# Altium PCB PCB1.PcbDoc
Units mm, origin at the board's own origin, x right, y up, seen from the top; angles counter-clockwise.
Board outline 43.31 x 74.09 mm, 2 copper layers (Top Layer, Bottom Layer); 49 components, 44 nets, 212 pads, 42 vias.
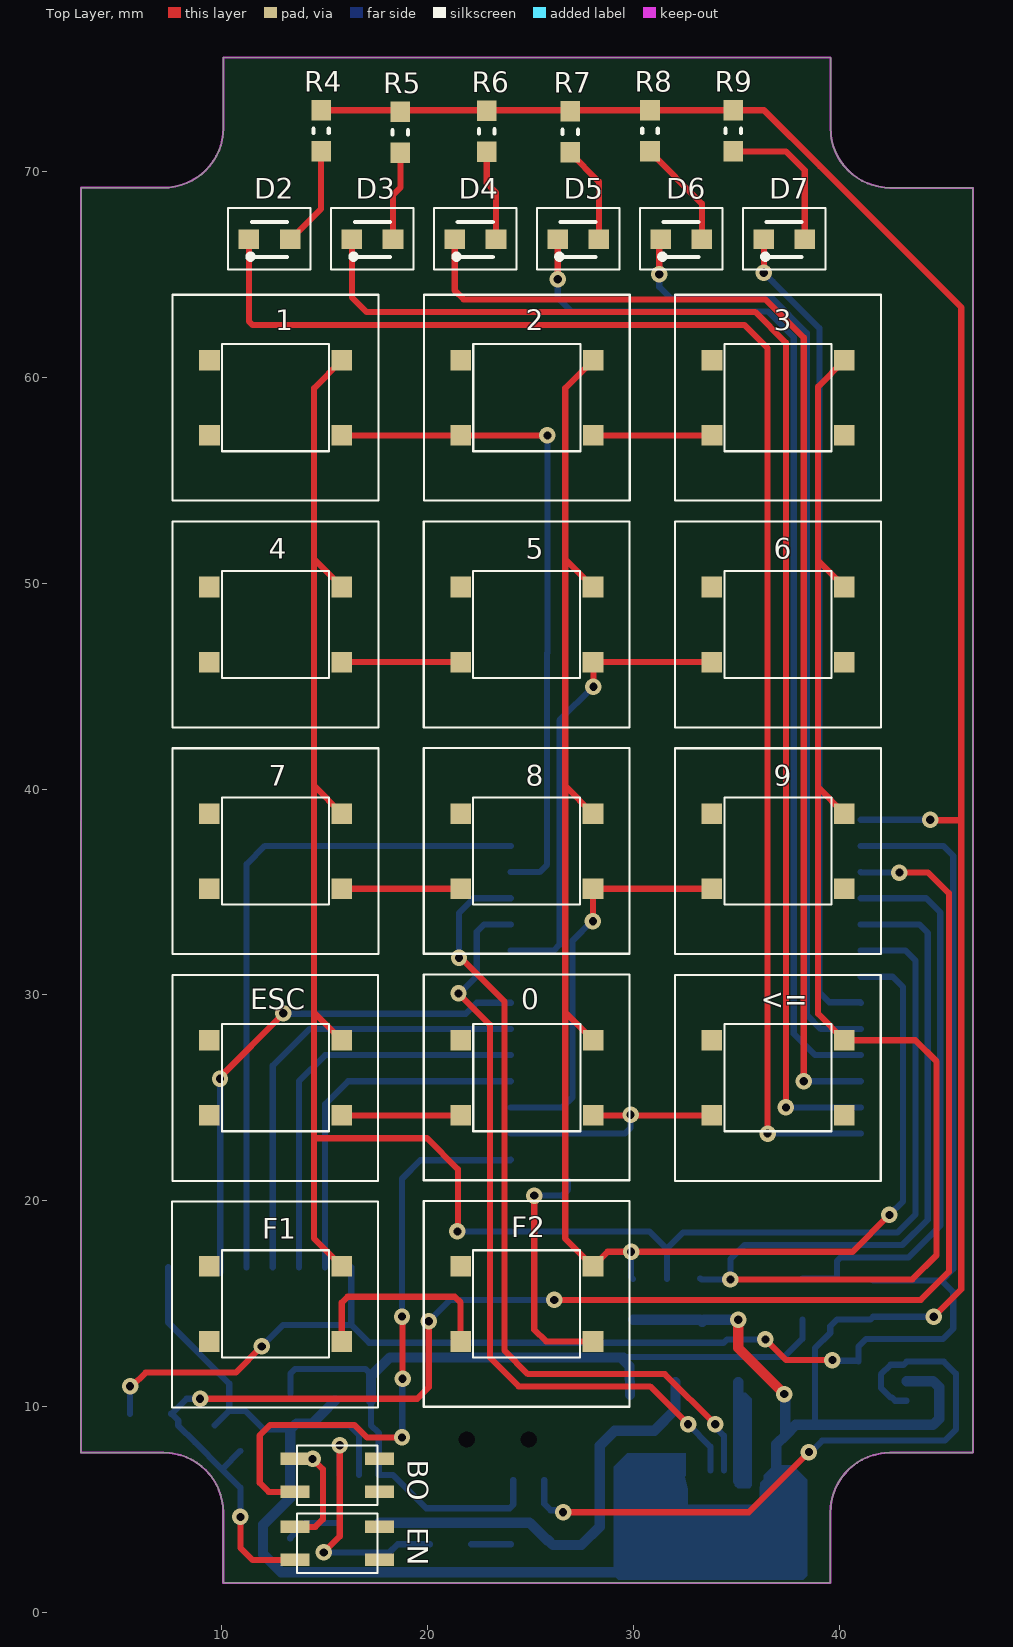
[diagram p0: Top Layer view]
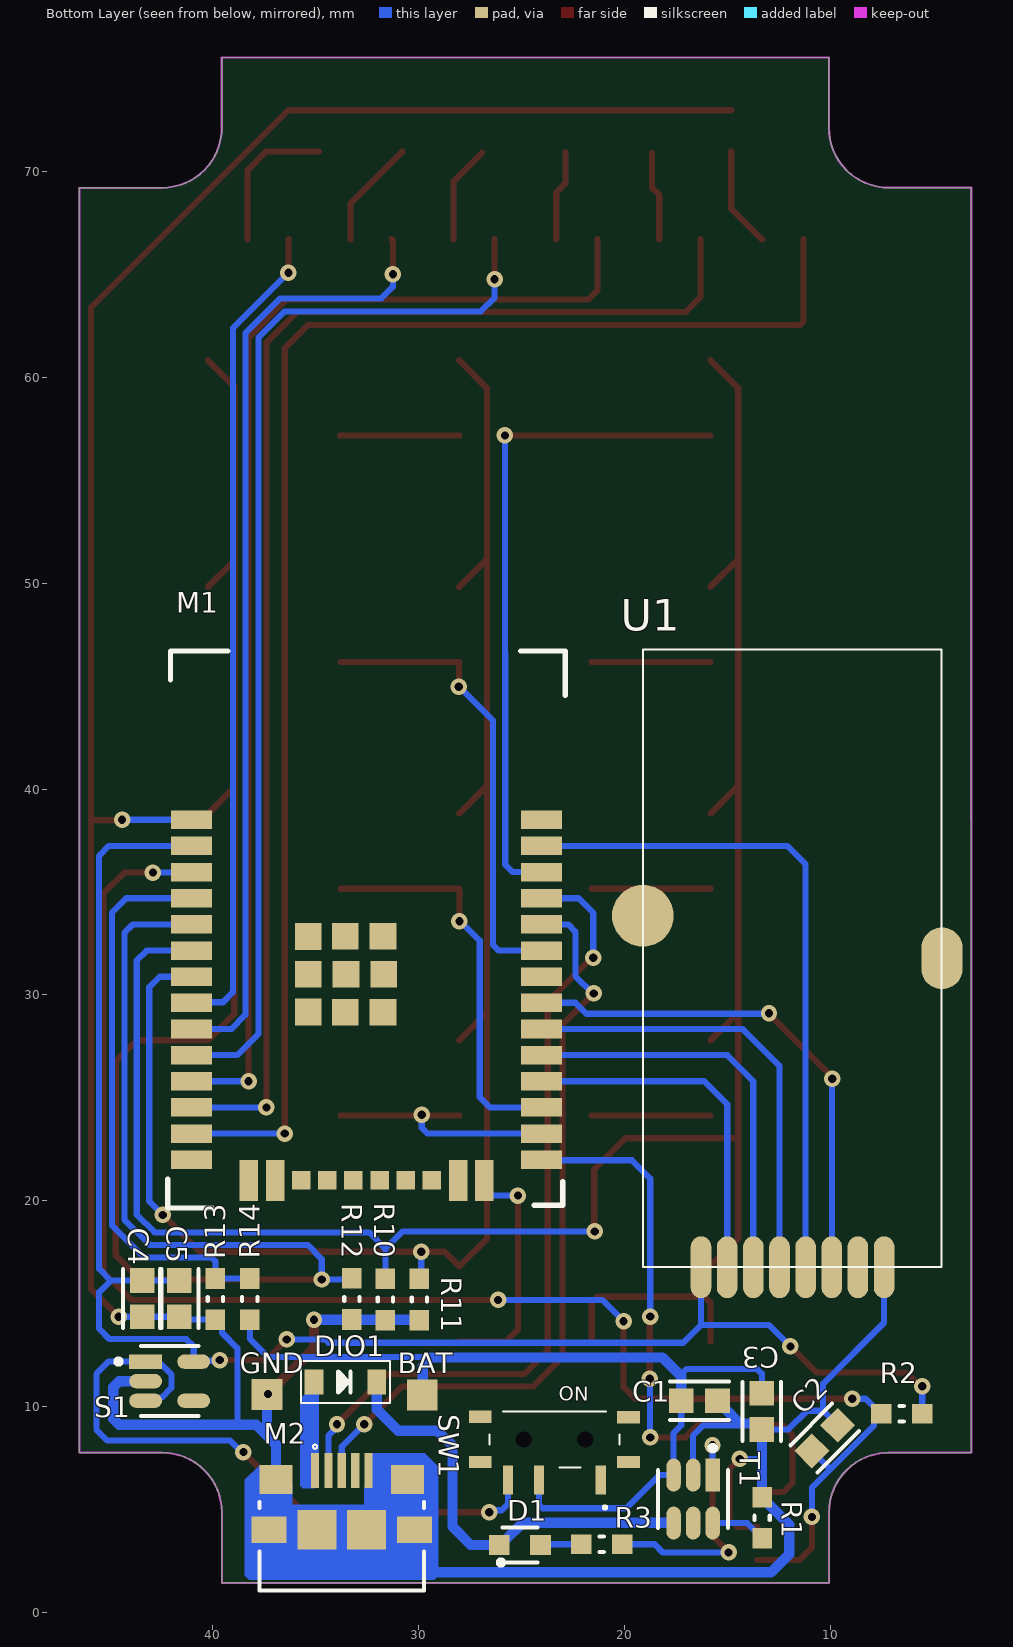
[diagram p1: Bottom Layer view, seen from below]
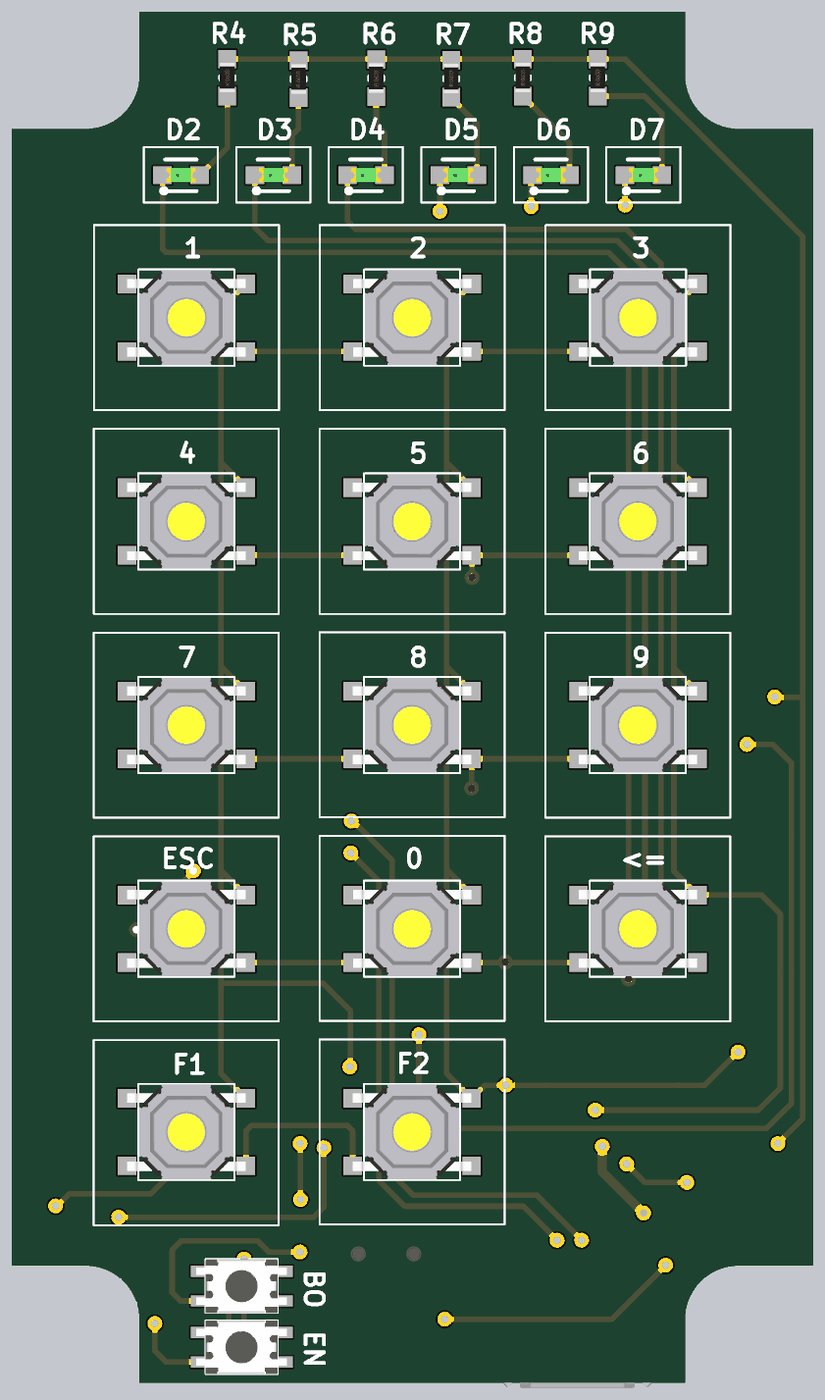
[diagram p2: 3D render of the assembled board from above, using the file's embedded part models]
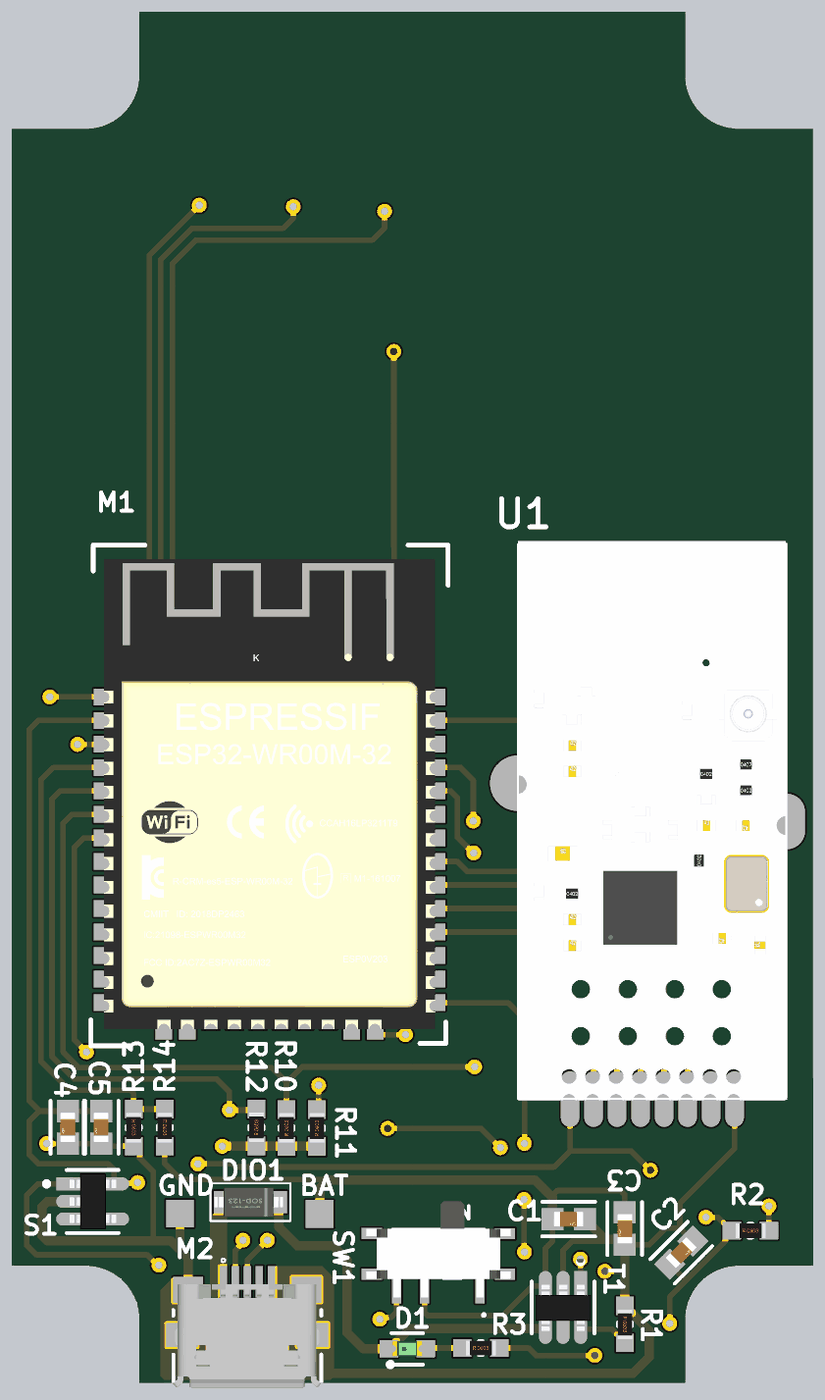
[diagram p3: 3D render of the assembled board from below, using the file's embedded part models]

## Layer stack, top to bottom
Top Solder: solder mask 0.0102, Solder Resist, Dk 3.5
Top Layer: signal copper 0.0356
Dielectric 1: dielectric 0.32, FR-4, Dk 4.8
Bottom Layer: signal copper 0.0356
Bottom Solder: solder mask 0.0102, Solder Resist, Dk 3.5

## Board outline
7.164,7.769 cw(c7.164,4.869) 10.064,4.869 10.064,1.442 39.554,1.442 39.554,4.869 cw(c42.454,4.869) 42.454,7.769 46.468,7.769 46.468,69.2 42.457,69.201 cw(c42.457,72.101) 39.557,72.101 39.558,75.527 10.068,75.53 10.068,72.104 cw(c7.168,72.104) 7.167,69.204 3.156,69.205 3.153,7.769

## Design rules (kind name [scope] priority, off if disabled: settings)
Clearance [All] p1: gap=0.3 ignorepadtopadclearanceinfootprint=FALSE
PolygonConnect [All] p1: connectstyle=Relief reliefconductorwidth=0.254 reliefentries=4 polygonreliefangle="90 Angle" airgapwidth=0.254
RoomDefinition Sheet1 [InComponentClass('Sheet1')] p1: confinementstyle=ConfineIn formatcopy=TRUE lockcomponents=FALSE outline 47.625,2.921 113.538,2.921 113.538,34.29 47.625,34.29
RoutingCorners [All] p1: cornerstyle=45-Degree minsetback=2 maxsetback=5
RoutingVias [All] p1: holewidth=0.4 width=0.8 viastyle="Through Hole" minholewidth=0.4 minwidth=0.8 maxholewidth=0.4 maxwidth=0.8
SolderMaskExpansion [All] p1: expansion=0.102 istentingtop=FALSE
Width [All] p1: maxlimit=1 minlimit=0.3 preferedwidth=0.3
29 further rules are at their usual default settings.

## Components (designator, comment, footprint, x,y, rotation, side; value= is the part's Value field where it differs from the comment)
0 "BUTTON" "BUTTON 4X4mm" 24.805,25.97 r0 top
1 "BUTTON" "BUTTON 4X4mm" 12.605,58.995 r0 top
2 "BUTTON" "BUTTON 4X4mm" 24.805,58.995 r0 top
3 "BUTTON" "BUTTON 4X4mm" 37.01,58.995 r0 top
4 "BUTTON" "BUTTON 4X4mm" 12.6,47.983 r0 top
5 "BUTTON" "BUTTON 4X4mm" 24.8,47.983 r0 top
6 "BUTTON" "BUTTON 4X4mm" 37.005,47.983 r0 top
7 "BUTTON" "BUTTON 4X4mm" 12.6,36.978 r0 top
8 "BUTTON" "BUTTON 4X4mm" 24.8,36.978 r0 top
9 "BUTTON" "BUTTON 4X4mm" 37.005,36.978 r0 top
<= "BUTTON" "BUTTON 4X4mm" 37.005,25.97 r0 top
BO "BUTTON" "BUTTON 3x4mm 4PIN" 15.596,6.706 r0 top
C1 "0.1uF" Cap_0603_A 16.358,10.287 r180 bottom
C2 "10nF" Cap_0603_A 10.272,8.478 r135 bottom
C3 "10uF" Cap_0603_A 13.325,9.775 r270 bottom
C4 "0.1uF" Cap_0603_A 43.425,15.25 r270 bottom
C5 "0.1uF" Cap_0603_A 41.625,15.25 r270 bottom
D1 "Led" "LED 0603" 25.035,3.305 r180 bottom
D2 "Led" "LED 0603" 12.35,66.725 r0 top
D3 "Led" "LED 0603" 17.35,66.725 r0 top
D4 "Led" "LED 0603" 22.35,66.725 r0 top
D5 "Led" "LED 0603" 27.346,66.725 r0 top
D6 "Led" "LED 0603" 32.35,66.725 r0 top
D7 "Led" "LED 0603" 37.346,66.725 r0 top
DIO1 "Diode SMD" DIO-SMD-123 33.553,11.201 r0 bottom value=1N5007
EN "BUTTON" "BUTTON 3x4mm 4PIN" 15.596,3.404 r0 top
ESC "BUTTON" "BUTTON 4X4mm" 12.6,25.97 r0 top
F1 "BUTTON" "BUTTON 4X4mm" 12.6,14.99 r0 top
F2 "BUTTON" "BUTTON 4X4mm" 24.8,14.99 r0 top
M1 "ESP32" ESP32-WROOM-32D 32.525,33.245 r180 bottom
M2 "Micro-USB" "2.0 5 PIN SMD" 33.275,4.7 r180 bottom
R1 "1K6" Res_0603 13.325,4.575 r270 bottom
R2 "200K" Res_0603 6.502,9.652 r180 bottom
R3 "4K7" Res_0603 21.075,3.31 r180 bottom
R4 "4K7" Res_0603 14.825,72 r90 top
R5 "4K7" Res_0603 18.675,71.925 r90 top
R6 "4K7" Res_0603 22.875,71.975 r90 top
R7 "4K7" Res_0603 26.925,71.95 r90 top
R8 "4K7" Res_0603 30.8,72 r90 top
R9 "4K7" Res_0603 34.85,72 r90 top
R10 "200K" Res_0603 31.598,15.24 r90 bottom
R11 "200K" Res_0603 29.947,15.24 r90 bottom
R12 "200K" Res_0603 33.223,15.265 r90 bottom
R13 "200K" Res_0603 39.875,15.2 r270 bottom
R14 "200K" Res_0603 38.2,15.2 r270 bottom
S1 "SPX3819M5-L-3-3" FP-C04-091-OT-IPC_A 42.189,11.049 r180 bottom
SW1 "SWITCH" MSK12C02 23.14,8.155 r0 bottom
T1 "TP4057" TP4057 16.23,4.568 r270 bottom
U1 "nRF24L01" "NRF24L01 + PA SMD" 10.805,33.825 r90 bottom

## Footprints (in the part's own frame and the unit in brackets; to place one, negate y for a bottom-side part, rotate by r counter-clockwise, add the part's x,y. Pads: shape width x height; smd on the part's side, far side on the other; paste and mask are expansions set on the pad)
"2.0 5 PIN SMD" [mm] "ID 1981568-1"
  rect 0.4x1.7 smd: 1(-1.751,2.198) 2(-1.101,2.198) 3(-0.451,2.198) 4(0.199,2.198) 5(0.849,2.198)
  rect 1.6x1.4 smd: 6(-3.651,1.773) 7(2.749,1.773)
  rect 1.7x1.3 smd: 8(-3.98,-0.68) 9(3.08,-0.68)
  rect 1.9x1.9 smd: 10(-1.651,-0.677) 11(0.749,-0.677)
  silkscreen extent -4.45,-3.63 3.55,3.46, body extent -4.46,-3.52 3.54,2.08, height 2.94
"BUTTON 3x4mm 4PIN" [mm]
  rect 1.4x0.6 smd: 1(-2.05,0.76) 2(-2.05,-0.84) 3(2.05,-0.84) 4(2.05,0.76)
  silkscreen extent -1.95,-1.48 1.95,1.42, body extent -2.46,-1.49 2.44,1.41, height 2
"BUTTON 4X4mm" [mm]
  rect 1x1 smd paste+0: 1(-3.21,1.83) 2(-3.21,-1.82) 3(3.22,-1.82) 4(3.22,1.83)
  silkscreen extent -2.6,-2.59 2.6,2.61, body extent -3.2,-2.55 3.2,2.55, height 1.5
Cap_0603_A [mm]
  rect 1.2x1.2 smd paste+0 mask+0: 1(-0.88,0) 2(0.88,0)
  silkscreen extent -1.43,-0.93 1.43,0.93, body extent -0.8,-0.41 0.8,0.4, height 0.9
DIO-SMD-123 [mm]
  rect 0.9x1.2 smd: 1(1.524,0) 2(-1.524,0)
  silkscreen extent -2.16,-1.02 2.16,1.02, body extent -1.76,-0.8 1.94,0.8, height 1.25
ESP32-WROOM-32D [mm]
  rect 2x0.9 smd: 1(-8.5,5.26) 1(-8.5,5.26) 2(-8.5,3.99) 3(-8.5,2.72) 4(-8.5,1.45) 5(-8.5,0.18) 6(-8.5,-1.09) 7(-8.5,-2.36) 8(-8.5,-3.63) 9(-8.5,-4.9) 10(-8.5,-6.17) 11(-8.5,-7.44) 12(-8.5,-8.71) 13(-8.5,-9.98) 14(-8.5,-11.25) 25(8.5,-11.25) 25(8.5,-11.25) 26(8.5,-9.98) 27(8.5,-8.71) 28(8.5,-7.44) 29(8.5,-6.17) 30(8.5,-4.9) 31(8.5,-3.63) 32(8.5,-2.36) 33(8.5,-1.09) 34(8.5,0.18) 35(8.5,1.45) 36(8.5,2.72) 37(8.5,3.99) 38(8.5,5.26)
  rect 0.9x2 smd: 15(-5.715,-12.25) 15(-5.715,-12.25) 16(-4.445,-12.25) 23(4.445,-12.25) 24(5.715,-12.25)
  rect 0.9x0.9 smd: 17(-3.175,-12.25) 18(-1.905,-12.25) 19(-0.635,-12.25) 20(0.635,-12.25) 21(1.905,-12.25) 22(3.175,-12.25)
  rect 1.3x1.3 smd: 39(-2.835,-4.075) 39(-2.835,-2.24) 39(-2.835,-0.405) 39(-1.03,-4.083) 39(-1.03,-0.397) 39(-1,-2.24) 39(0.805,-4.083) 39(0.805,-0.397) 39(0.835,-2.24)
  silkscreen extent -9.65,-13.59 9.65,13.46, body extent -8.95,-12.7 8.95,12.7, height 2.61
FP-C04-091-OT-IPC_A [mm]
  rect 1.6x0.7 smd paste+0 mask+0: 1(-1.062,1.143)
  rrect100% 1.6x0.7 smd paste+0 mask+0: 2(-1.062,0.193) 3(-1.062,-0.757) 4(1.27,-0.757) 5(1.27,1.143)
  silkscreen extent -2.51,-1.51 1.5,1.89, body extent -1.12,-1.3 1.38,1.7, height 1.05
"LED 0603" [mm]
  rect 1x0.95 smd: 1(-1.04,-0.02) 2(0.96,-0.02)
  silkscreen extent -1.09,-0.99 0.8,0.82, body extent -0.84,-0.42 0.76,0.38, height 0.9
MSK12C02 [mm]
  rect 0.5x1.4 smd: A1(-1.99,1.72) B1(1.01,1.72) C1(2.51,1.72)
  round 0.425 hole 0.8 unplated: MH1(-1.246,-0.254) MH2(1.754,-0.254)
  rect 1.1x0.6 smd: MP1(3.86,0.84) MP2(3.86,-1.35) MP3(-3.34,-1.34) MP4(-3.34,0.84)
  silkscreen extent -2.9,-1.6 3.4,3.1, body extent -3.65,-3.1 4.15,2.1, height 1.5
"NRF24L01 + PA SMD" [mm]
  oval 3x1 smd paste+0: 1(-17.05,5.475) 1(-17.05,5.475) 2(-17.05,-3.415) 3(-17.05,4.205) 4(-17.05,2.935) 5(-17.05,1.665) 6(-17.05,0.395) 7(-17.05,-0.875) 8(-17.05,-2.145)
  round 3 smd paste+0: 9(0.02,8.3)
  oval 3x2 smd paste+0: 10(-2.05,-6.225)
  silkscreen extent -17.04,-6.21 12.96,8.29, body extent -17.13,-6.19 13.1,8.29, height 1.75
Res_0603 [mm]
  rect 1x0.95 smd: 1(-1.03,0.01) 2(0.97,0.01)
  silkscreen extent -0.13,-0.37 0.07,0.39, body extent -0.82,-0.39 0.78,0.41, height 0.45
TP4057 [mm]
  rect 1.6x0.7 smd paste+0 mask+0: 1(-2.112,0.518)
  rrect100% 1.6x0.7 smd paste+0 mask+0: 2(-2.112,-0.432) 3(-2.112,-1.382) 4(0.22,-1.382) 5(0.22,-0.432) 6(0.22,0.518)
  silkscreen extent -3.56,-2.13 0.45,1.27, body extent -2.17,-1.92 0.33,1.08, height 1.05

## Part data
0 1 2 3 4 5 6 7 8 9 <= BO EN ESC F1 F2: library part "BUTTON 4 PIN", Case/Package=SOIC, Frequency=100kHz, High Level Output Current=-200mA, Low Level Output Current=200mA, Max Operating Temperature=70°C, Max Supply Voltage=16V, Min Operating Temperature=0°C, Min Supply Voltage=4.5V, Operating Supply Current=10mA, Package Quantity=2500, Quiescent Current=15mA, Contact Plating=Gold, Height=1.58mm, Lead Free="Lead Free", Length=4.9mm, Mount="Surface Mount", Number of Pins=8, Number of Timers/Counters=1, Packaging="Tape and Reel", Radiation Hardening=No, REACH SVHC="No SVHC", Weight=0.002561oz, Width=3.91mm
C1 C2 C3 C4 C5: library part Capacitor, "General Purpose Ceramic Capacitor, 0603, 1nF, 10%, X7R, 15%, 50V", Capacitance=1nF, Case Code (Imperial)=0603, Case Code (Metric)=1608, Dielectric=X7R, Dielectric Material=Ceramic, Max Operating Temperature=125°C, Min Operating Temperature=-55°C, Package Quantity=4000, Tolerance=10%, Voltage=50V, Case/Package=0603, Construction=Flat, Contact Plating=Tin, Depth=0.81mm, Height=0.9mm, Lead Free="Lead Free", Length=1.6mm, Mount="Surface Mount", Number of Pins=2, Packaging="Tape and Reel", Radiation Hardening=No, REACH SVHC="No SVHC", RoHS Compliant=Yes, Series=-, Termination=SMD/SMT, Thickness=0.035inch, Voltage Rating=50V, Voltage Rating (DC)=50V, Weight=7.1E-05oz, Width=0.032inch
DIO1: "Default Diode", Code - JEDEC=DO-214-AB, Published=8-Jun-2000, Publisher="Altium Limited", Revision="July-2002: Re-released for DXP Platform."
R1 R2 R3 R4 R5 R6 R7 R8 R9 R10 R11 R12 R13 R14: library part Resistor
S1: "Regulator 250mA"

## Free pads (board coordinates)
  rect 1.5x1.5 smd far side paste+0: BAT(29.82,10.566) GND(37.363,10.592)

## Via types
v1: diameter 0.8, hole 0.4, Top Layer to Bottom Layer, 35 vias
v2: diameter 0.8, hole 0.4, Top Layer to Bottom Layer, tented bottom, 5 vias
v3: diameter 0.8, hole 0.4, Top Layer to Bottom Layer, tented top, 2 vias

## Nets (pads, with @x,y where several pads share a name; then routed paths per layer and width w, separated by ;. In a path a pad name is that pad's centre, name@x,y a point inside that pad or via, vN(x,y) a via of type N, cw(c..) or ccw(c..) an arc to the next point about the centre after c; other vN are vias at no path point)
+3.3: C4.1 C5.1 M1.2 R2.2 S1.5 U1.1 | length 78.8
  Top Layer w0.3: v1(5.537,10.998) 5.631,10.998 6.291,11.659 10.668,11.659 v1(11.938,12.929) ; v1(36.398,13.271) 37.401,12.268 v1(39.649,12.268)
  Bottom Layer w0.3: R2.2 5.537,9.667 v1(5.537,10.998) ; v1(11.938,12.929) 12.981,13.971 16.28,13.971 ; U1.1@16.28,16.775 16.28,13.971 ; v1(36.398,13.271) 34.53,13.271 34.366,13.106 17.145,13.106 16.28,13.971 ; v1(39.649,12.268) 39.688,12.23 40.881,12.23 S1.5 40.919,12.929 41.275,13.284 45.009,13.284 45.517,13.792 45.517,15.57 44.957,16.13 ; M1.2 45.036,37.235 45.517,36.754 45.517,16.69 44.957,16.13 ; C5.1 C4.1 44.957,16.13
+5: D1.1 DIO1.2 T1.4 | length 21.2
  Bottom Layer w0.5: T1.4 17.682,4.348 17.705,4.37 24.94,4.37 25.8,3.51 25.85,3.51 D1.1 27.457,3.285 28.346,4.174 28.346,8.103 29.083,8.839 30.991,8.839 32.029,9.878 DIO1.2
ADC: M1.4 R13.1 R14.1 | length 27.6
  Bottom Layer w0.3: R14.1 R13.1 39.865,17.071 40.041,17.247 43.332,17.247 44.882,18.796 44.882,34.011 44.197,34.695 M1.4
BAT: C1.1 C3.1 pad.BAT R14.2 SW1.B1 T1.3 | length 43
  Bottom Layer w0.3: C3.1 13.325,11.598 13.564,11.836 16.967,11.836 17.238,11.566 17.238,11.519 ; C1.1 17.238,9.102 17.612,8.727 T1.3 18.313,6.68 19.923,5.07 23.974,5.07 24.15,5.246 SW1.B1 ; 29.489,12.421 37.313,12.421 38.19,13.298 R14.2
  Bottom Layer w0.5: C1.1 17.238,11.519 ; 17.285,11.519 18.161,12.395 29.489,12.395 ; 29.489,12.268 29.794,11.963 pad.BAT
BOOST: BO.2 M1.25 | length 29.8
  Top Layer w0.3: BO.2 12.27,5.866 11.836,6.299 11.836,8.611 12.344,9.119 16.434,9.119 17.043,8.509 v1(18.745,8.509) ; v1(18.745,14.376) 18.771,14.351 v1(18.771,11.354)
  Bottom Layer w0.3: v1(18.745,8.509) 18.758,8.522 18.758,11.341 v1(18.771,11.354) ; v1(18.745,14.376) 18.745,21.082 19.634,21.971 24.001,21.971 M1.25@24.025,21.995
C1: 1.4 4.4 7.4 ESC.4 F1.4 M1.6 R10.2 | length 101.4
  Top Layer w0.3: F1.4 14.475,18.165 14.475,23.038 ; ESC.4 14.475,29.145 ; 7.4 14.475,40.153 ; 4.4 14.475,51.158 ; 1.4 14.475,59.475 14.475,51.158 ; v1(21.438,18.517) 21.463,18.542 21.463,21.539 19.964,23.038 14.475,23.038 ; 14.475,23.038 14.475,29.145 ; 14.475,29.145 14.475,40.153 ; 14.475,40.153 14.475,51.158
  Bottom Layer w0.3: v1(21.438,18.517) 30.759,18.517 31.608,17.668 ; R10.2 31.608,17.668 ; M1.6 43.201,32.155 43.682,31.674 43.682,19.334 42.814,18.466 32.405,18.466 31.608,17.668
C2: 0.4 2.4 5.4 8.4 F2.4 M1.7 R11.2 | length 81.2
  Top Layer w0.3: 8.4 26.675,40.153 ; 5.4 26.675,51.158 ; 0.4 26.675,29.15 ; 2.4 26.675,59.475 26.675,51.158 ; v1(42.418,19.316) 40.628,17.526 28.726,17.526 F2.4 26.675,18.165 26.675,29.15 ; 26.675,29.15 26.675,40.153 ; 26.675,40.153 26.675,51.158
  Bottom Layer w0.3: v1(29.87,17.526) 29.87,16.296 R11.2 ; M1.7 42.572,30.885 43.078,30.378 43.078,19.976 v1(42.418,19.316)
C3: 3.4 6.4 9.4 <=.4 M1.5 R12.2 | length 92.7
  Top Layer w0.3: v1(34.696,16.18) 43.536,16.18 44.704,17.348 44.704,26.772 43.676,27.8 <=.4 38.95,29.075 38.95,40.083 ; 9.4 38.95,40.083 ; 6.4 38.95,51.089 ; 3.4 38.95,59.545 38.95,51.089 ; 38.95,40.083 38.95,51.089
  Bottom Layer w0.3: R12.2 33.289,16.18 v1(34.696,16.18) 34.696,17.17 35.382,17.856 43.053,17.856 44.282,19.085 44.282,33.01 43.867,33.425 M1.5
CE: M1.28 U1.3 | length 17.4
  Bottom Layer w0.3: U1.3 15.01,24.687 16.128,25.805 M1.28
CSN: M1.29 U1.4 | length 19.8
  Bottom Layer w0.3: U1.4 13.74,25.805 15.01,27.075 M1.29
D1: D2.1 M1.13 | length 72.4
  Top Layer w0.3: D2.1 11.31,62.711 11.486,62.535 35.382,62.535 36.5,61.417 v2(36.5,23.266)
  Bottom Layer w0.3: v2(36.5,23.266) 41.024,23.266 M1.13
D2: D3.1 M1.12 | length 65.6
  Top Layer w0.3: D3.1 16.31,63.878 17.018,63.17 35.89,63.17 37.389,61.671 v3(37.389,24.536)
  Bottom Layer w0.3: v3(37.389,24.536) 41.024,24.536 M1.12
D3: D4.1 M1.11 | length 59.3
  Top Layer w0.3: D4.1 21.31,64.212 21.742,63.779 36.398,63.779 38.254,61.924 38.254,25.859 38.227,25.832 v3(38.254,25.805)
  Bottom Layer w0.3: v3(38.254,25.805) M1.11
D4: D5.1 M1.10 | length 52.6
  Top Layer w0.3: v1(26.306,64.753) D5.1
  Bottom Layer w0.3: v1(26.306,64.753) 26.306,63.864 26.975,63.195 36.505,63.195 37.77,61.93 37.77,28.118 38.813,27.075 M1.10
D5: D6.1 M1.9 | length 46.5
  Top Layer w0.3: v1(31.242,64.999) 31.242,66.637 D6.1
  Bottom Layer w0.3: v1(31.242,64.999) 31.242,64.389 31.801,63.83 36.718,63.83 38.405,62.143 38.405,29.032 39.092,28.345 M1.9
D6: D7.1 M1.8 | length 39.9
  Top Layer w0.3: D7.1 36.319,66.692 v1(36.319,65.078)
  Bottom Layer w0.3: v1(36.319,65.078) 36.754,64.643 39.014,62.382 39.014,30.124 39.497,29.642 40.998,29.642 M1.8
D+: M1.34 M2.3 | length 37.2
  Top Layer w0.3: v1(21.488,30.074) 23.012,28.55 23.012,12.395 24.419,10.989 30.794,10.989 v1(32.639,9.144)
  Bottom Layer w0.3: v1(21.488,30.074) 21.539,30.074 22.377,30.912 22.377,33.071 22.732,33.425 M1.34 ; v1(32.639,9.144) 33.726,8.057 M2.3
D-: M1.35 M2.2 | length 39.2
  Top Layer w0.3: v1(21.514,31.801) 21.59,31.801 23.724,29.667 23.724,12.725 24.86,11.589 31.515,11.589 v1(33.96,9.144)
  Bottom Layer w0.3: v1(21.514,31.801) 21.514,33.985 22.224,34.695 M1.35 ; v1(33.96,9.144) 33.96,9.009 34.376,8.592 M2.2
EN: C2.1 EN.2 M1.3 R2.1 | length 77.6
  Top Layer w0.3: v1(8.941,10.389) 19.482,10.389 20.041,10.947 v1(20.041,14.148) ; v1(10.897,4.648) 10.897,3.15 11.483,2.564 EN.2 ; v1(26.137,15.189) 43.942,15.189 45.304,16.551 45.304,34.935 44.298,35.941 v1(42.901,35.941)
  Bottom Layer w0.3: R2.1 R2.1@7.557,9.662 ; v1(8.941,10.389) 8.284,10.389 R2.1@7.557,9.662 ; C2.1 10.011,6.972 9.995,6.972 ; v1(10.897,4.648) 10.897,6.071 9.995,6.972 ; v1(20.041,14.148) 21.082,15.189 v1(26.137,15.189) ; M1.3 41.049,35.941 v1(42.901,35.941) ; R2.1@7.557,9.662 7.882,9.337 7.882,9.085 8.699,8.269 9.995,6.972
GND: BO.1 C1.2 C2.2 C3.2 C4.2 C5.2 EN.1 M1.1 M2.5 M2.6 M2.7 M2.8 M2.9 M2.10 M2.11 pad.GND R1.1 R4.2 R5.2 R6.2 R7.2 R8.2 R9.2 R10.1 R11.1 R12.1 R13.2 S1.2 T1.2 U1.2 | length 188.6
  Top Layer w0.3: EN.1 14.529,4.164 14.901,4.536 14.901,6.968 v1(14.402,7.468) ; R4.2 R8.2 R9.2 36.326,72.97 39.057,70.239 45.904,63.392 45.904,38.481 ; v1(44.401,38.505) 44.425,38.481 45.904,38.481 ; v1(44.571,14.37) 45.904,15.703 45.904,38.481
  Top Layer w0.5: v1(35.077,14.224) 35.077,12.852 v1(37.313,10.617)
  Bottom Layer w0.3: U1.2 7.39,14.091 10.354,11.126 10.354,9.804 ; C2.2 10.354,9.804 ; R1.1@13.315,5.58 13.325,5.59 R1.1@13.325,5.605 ; 13.325,7.442 13.526,7.442 13.552,7.468 v1(14.402,7.468) ; C3.2 12.035,8.895 11.125,9.804 10.354,9.804 ; 14.389,9.187 14.481,9.096 16.177,9.096 16.662,8.611 T1.2 ; R11.1@29.968,14.224 R11.1@29.969,14.223 ; R12.1@33.22,14.223 R12.1@33.321,14.122 ; 38.633,9.119 38.799,9.285 38.799,12.841 39.54,13.581 39.54,13.905 R13.2 41.485,14.23 C5.2 C4.2 v1(44.571,14.37) ; M1.1@41.025,38.505 v1(44.401,38.505)
  Bottom Layer w0.5: C1.2 15.128,9.937 15.128,9.926 14.389,9.187 13.617,9.187 C3.2 13.32,8.89 13.32,5.61 R1.1 13.315,5.58 11.996,4.261 11.996,2.837 12.878,1.956 29.591,1.956 30.333,2.697 ; R11.1@29.969,14.223 R12.1@33.22,14.223 ; M2.9@29.995,4.02 M2.9 ; M2.7 30.526,4.351 M2.9 ; R12.1@33.321,14.122 33.428,14.23 35.072,14.23 v1(35.077,14.224) ; v1(37.313,10.617) 37.338,10.617 pad.GND 37.363,8.681 37.399,8.646 ; S1.2 44.538,11.242 44.831,10.949 44.831,9.411 44.538,9.119 38.633,9.119 37.871,9.119 37.399,8.646 ; M2.9 M2.8 36.926,4.349 M2.6 36.926,8.173 37.399,8.646
MISO: M1.31 U1.7 | length 25.2
  Top Layer w0.3: v2(9.906,25.933) 9.906,26.01 12.979,29.083 v1(12.979,29.108)
  Bottom Layer w0.3: U1.7@9.905,16.506 9.918,16.519 9.918,25.921 v2(9.906,25.933) ; v1(12.979,29.108) 13.005,29.083 21.844,29.083 22.377,29.616 24.024,29.616 M1.31
MOSI: M1.37 U1.6 | length 32.8
  Bottom Layer w0.3: U1.6 11.2,36.346 12.089,37.235 M1.37
Net0_2: 0.2 ESC.3 | length 5.8
  Top Layer w0.3: ESC.3 0.2
Net2_3: 2.3 3.2 | length 5.8
  Top Layer w0.3: 2.3 3.2
Net4_3: 4.3 5.2 | length 5.8
  Top Layer w0.3: 4.3 5.2
Net7_3: 7.3 8.2 | length 5.8
  Top Layer w0.3: 7.3 8.2
NetD1_2: D1.2 R3.1 | length 1.9
  Bottom Layer w0.3: R3.1 D1.2@24.04,3.32
NetD2_2: D2.2 R4.1 | length 4.9
  Top Layer w0.3: D2.2 13.335,66.705 14.815,68.185 R4.1
NetD3_2: D3.2 R5.1 | length 4.3
  Top Layer w0.3: D3.2 18.31,68.856 18.665,69.211 R5.1
NetD4_2: D4.2 R6.1 | length 4.4
  Top Layer w0.3: R6.1 22.865,69.413 23.31,68.968 D4.2
NetD5_2: D5.2 R7.1 | length 4.8
  Top Layer w0.3: R7.1 26.915,70.895 28.306,69.504 D5.2
NetD6_2: D6.2 R8.1 | length 5.3
  Top Layer w0.3: R8.1 30.79,70.945 33.31,68.425 D6.2
NetD7_2: D7.2 R9.1 | length 7.2
  Top Layer w0.3: R9.1 37.386,70.97 38.306,70.05 D7.2
NetDIO1_1: DIO1.1 M2.1 | length 4.8
  Bottom Layer w0.3: DIO1.1@35.154,11.201 DIO1.1@35.154,11.203
  Bottom Layer w0.5: M2.1@35.077,6.401 DIO1.1
NetF1_3: F1.3 F2.2 | length 9.8
  Top Layer w0.3: F1.3 15.82,15.058 16.104,15.342 21.311,15.342 21.59,15.062 F2.2
NetR1_2: R1.2 T1.6 | length 2.7
  Bottom Layer w0.3: R1.2 13.315,3.63 14.033,4.348 T1.6
NetR3_2: R3.2 T1.1 | length 12.3
  Top Layer w0.3: v1(14.943,2.924) 15.723,3.703 v1(15.723,8.128)
  Bottom Layer w0.3: v1(14.943,2.924) 14.946,2.921 18.136,2.921 18.535,3.32 R3.2 ; T1.1 15.717,6.685 15.717,8.123 v1(15.723,8.128)
NetS1_1: S1.1 S1.3 SW1.C1 | length 32
  Top Layer w0.3: v1(26.568,4.877) 35.585,4.877 v1(38.506,7.798)
  Bottom Layer w0.3: SW1.C1 25.65,5.285 25.963,4.972 26.473,4.972 v1(26.568,4.877) ; v1(38.506,7.798) 38.591,7.798 39.15,8.357 45.11,8.357 45.644,8.89 45.644,11.608 45.06,12.192 S1.1 43.102,12.042 42.47,12.042 42.002,11.573 42.002,10.911 42.47,10.442 42.544,10.442 42.694,10.292 S1.3
R1: 1.3 2.2 M1.36 | length 32.7
  Top Layer w0.3: 1.3 2.2 v1(25.806,57.175)
  Bottom Layer w0.3: M1.36 25.424,35.965 25.791,36.332 25.791,46.598 25.806,46.614 v1(25.806,57.175)
R2: 5.3 6.2 M1.33 | length 22.7
  Top Layer w0.3: v2(28.042,44.963) 28.042,46.142 5.3 6.2
  Bottom Layer w0.3: M1.33 26.11,32.155 26.391,32.436 26.391,43.332 28.022,44.963 v2(28.042,44.963)
R3: 8.3 9.2 M1.27 | length 19.6
  Top Layer w0.3: v2(28.016,33.579) 28.016,35.155 8.3 9.2
  Bottom Layer w0.3: M1.27 26.531,24.535 27.026,25.029 27.026,32.639 27.965,33.579 v2(28.016,33.579)
R4: 0.3 <=.2 M1.26 | length 12.3
  Top Layer w0.3: 0.3 <=.2
  Bottom Layer w0.3: M1.26 29.564,23.265 29.845,23.546 v2(29.845,24.181)
R5: F2.3 M1.24 | length 11.8
  Top Layer w0.3: v1(25.171,20.256) 25.171,13.741 25.743,13.17 F2.3
  Bottom Layer w0.3: v1(25.171,20.256) 26.51,20.256 26.51,20.244 26.81,20.544 M1.24
SCK: M1.30 U1.5 | length 22.1
  Bottom Layer w0.3: U1.5 12.47,26.567 14.248,28.345 M1.30
pads on no net: 0.1 1.1 1.2 2.1 3.1 3.3 4.1 4.2 5.1 6.1 6.3 7.1 7.2 8.1 9.1 9.3 <=.1 <=.3 BO.3 BO.4 EN.3 EN.4 ESC.1 ESC.2 F1.1 F1.2 F2.1 M1.14 M1.15 M1.16 M1.17 M1.18 M1.19 M1.20 M1.21 M1.22 M1.23 M1.32 M1.38 M1.39 M2.4 S1.4 SW1.A1 SW1.MH1 SW1.MH2 SW1.MP1 SW1.MP2 SW1.MP3 SW1.MP4 T1.5 U1.8 U1.9 U1.10

## Keep-outs
Keep-Out Layer:
  the board outline again, w0.1

## Other copper
Bottom Layer:
  region net NetDIO1_1: 34.917,6.17 35.039,6.048 35.623,6.048 35.738,6.162 35.738,10.391 35.448,10.681 35.22,10.681 35.026,10.487 35.026,6.898
  region net GND: 31.897,7.747 29.693,7.747 29.032,7.087 29.032,1.803 29.235,1.6 38.227,1.6 38.43,1.803 38.43,6.452 37.719,7.163 36.805,7.163 36.322,6.68 36.322,6.477 36.144,6.299 36.144,6.121 36.126,6.104 36.126,5.228 31.897,5.228
  region net GND: 32.625,6.025 32.625,4.325 32.25,3.95 32.225,3.975 30.525,3.975 30.525,7.05 30.575,7.1 31.25,7.1 31.897,7.747 32.537,7.747 32.537,6.655 32.487,6.604

## Silkscreen, mask and mechanical layers (free items; w line width, h text height)
Top Overlay:
  lines w0.1: 7.585,9.959 17.585,9.959 17.585,19.959 7.585,19.959 7.585,9.959 ; 7.59,20.97 17.59,20.97 17.59,30.97 7.59,30.97 7.59,20.97 ; 7.595,31.982 17.595,31.982 17.595,41.982 7.595,41.982 7.595,31.982 ; 7.6,42.993 17.6,42.993 17.6,52.993 7.6,52.993 7.6,42.993 ; 7.605,54.005 17.605,54.005 17.605,64.005 7.605,64.005 7.605,54.005 ; 10.304,65.225 14.304,65.225 14.304,68.225 10.304,68.225 10.304,65.225 ; 15.304,65.225 19.304,65.225 19.304,68.225 15.304,68.225 15.304,65.225 ; 19.8,10 29.8,10 29.8,20 19.8,20 19.8,10 ; 19.8,21 29.8,21 29.8,31 19.8,31 19.8,21 ; 19.8,32 29.8,32 29.8,42 19.8,42 19.8,32 ; 19.8,42.993 29.8,42.993 29.8,52.993 19.8,52.993 19.8,42.993 ; 19.805,54.005 29.805,54.005 29.805,64.005 19.805,64.005 19.805,54.005 ; 20.304,65.225 24.304,65.225 24.304,68.225 20.304,68.225 20.304,65.225 ; 25.304,65.225 29.304,65.225 29.304,68.225 25.304,68.225 25.304,65.225 ; 30.304,65.225 34.304,65.225 34.304,68.225 30.304,68.225 30.304,65.225 ; 31.995,20.97 41.995,20.97 41.995,30.97 31.995,30.97 31.995,20.97 ; 32,31.982 42,31.982 42,41.982 32,41.982 32,31.982 ; 32.005,42.993 42.005,42.993 42.005,52.993 32.005,52.993 32.005,42.993 ; 32.01,54.005 42.01,54.005 42.01,64.005 32.01,64.005 32.01,54.005 ; 35.304,65.225 39.304,65.225 39.304,68.225 35.304,68.225 35.304,65.225
Bottom Overlay:
  text "BAT" at 31.017,11.63 h1
  text "GND" at 38.687,11.63 h1
  text "ON" at 23.193,10.284 h0.7